# Altium PCB BGA_faser_v2.PcbDoc (part 2 of 5)
Units mil, origin at the board's own origin, x right, y up, seen from the top; angles counter-clockwise.
Board outline 2637.8 x 3937.01 mil, 6 copper layers (Top Layer, GND1, Layer 3, PWR, GND2, Bottom Layer), stack 32.112 mil thick; 367 components, 429 nets, 2041 pads, 1008 vias.
Unrouted connection lines stored in the file: 107.
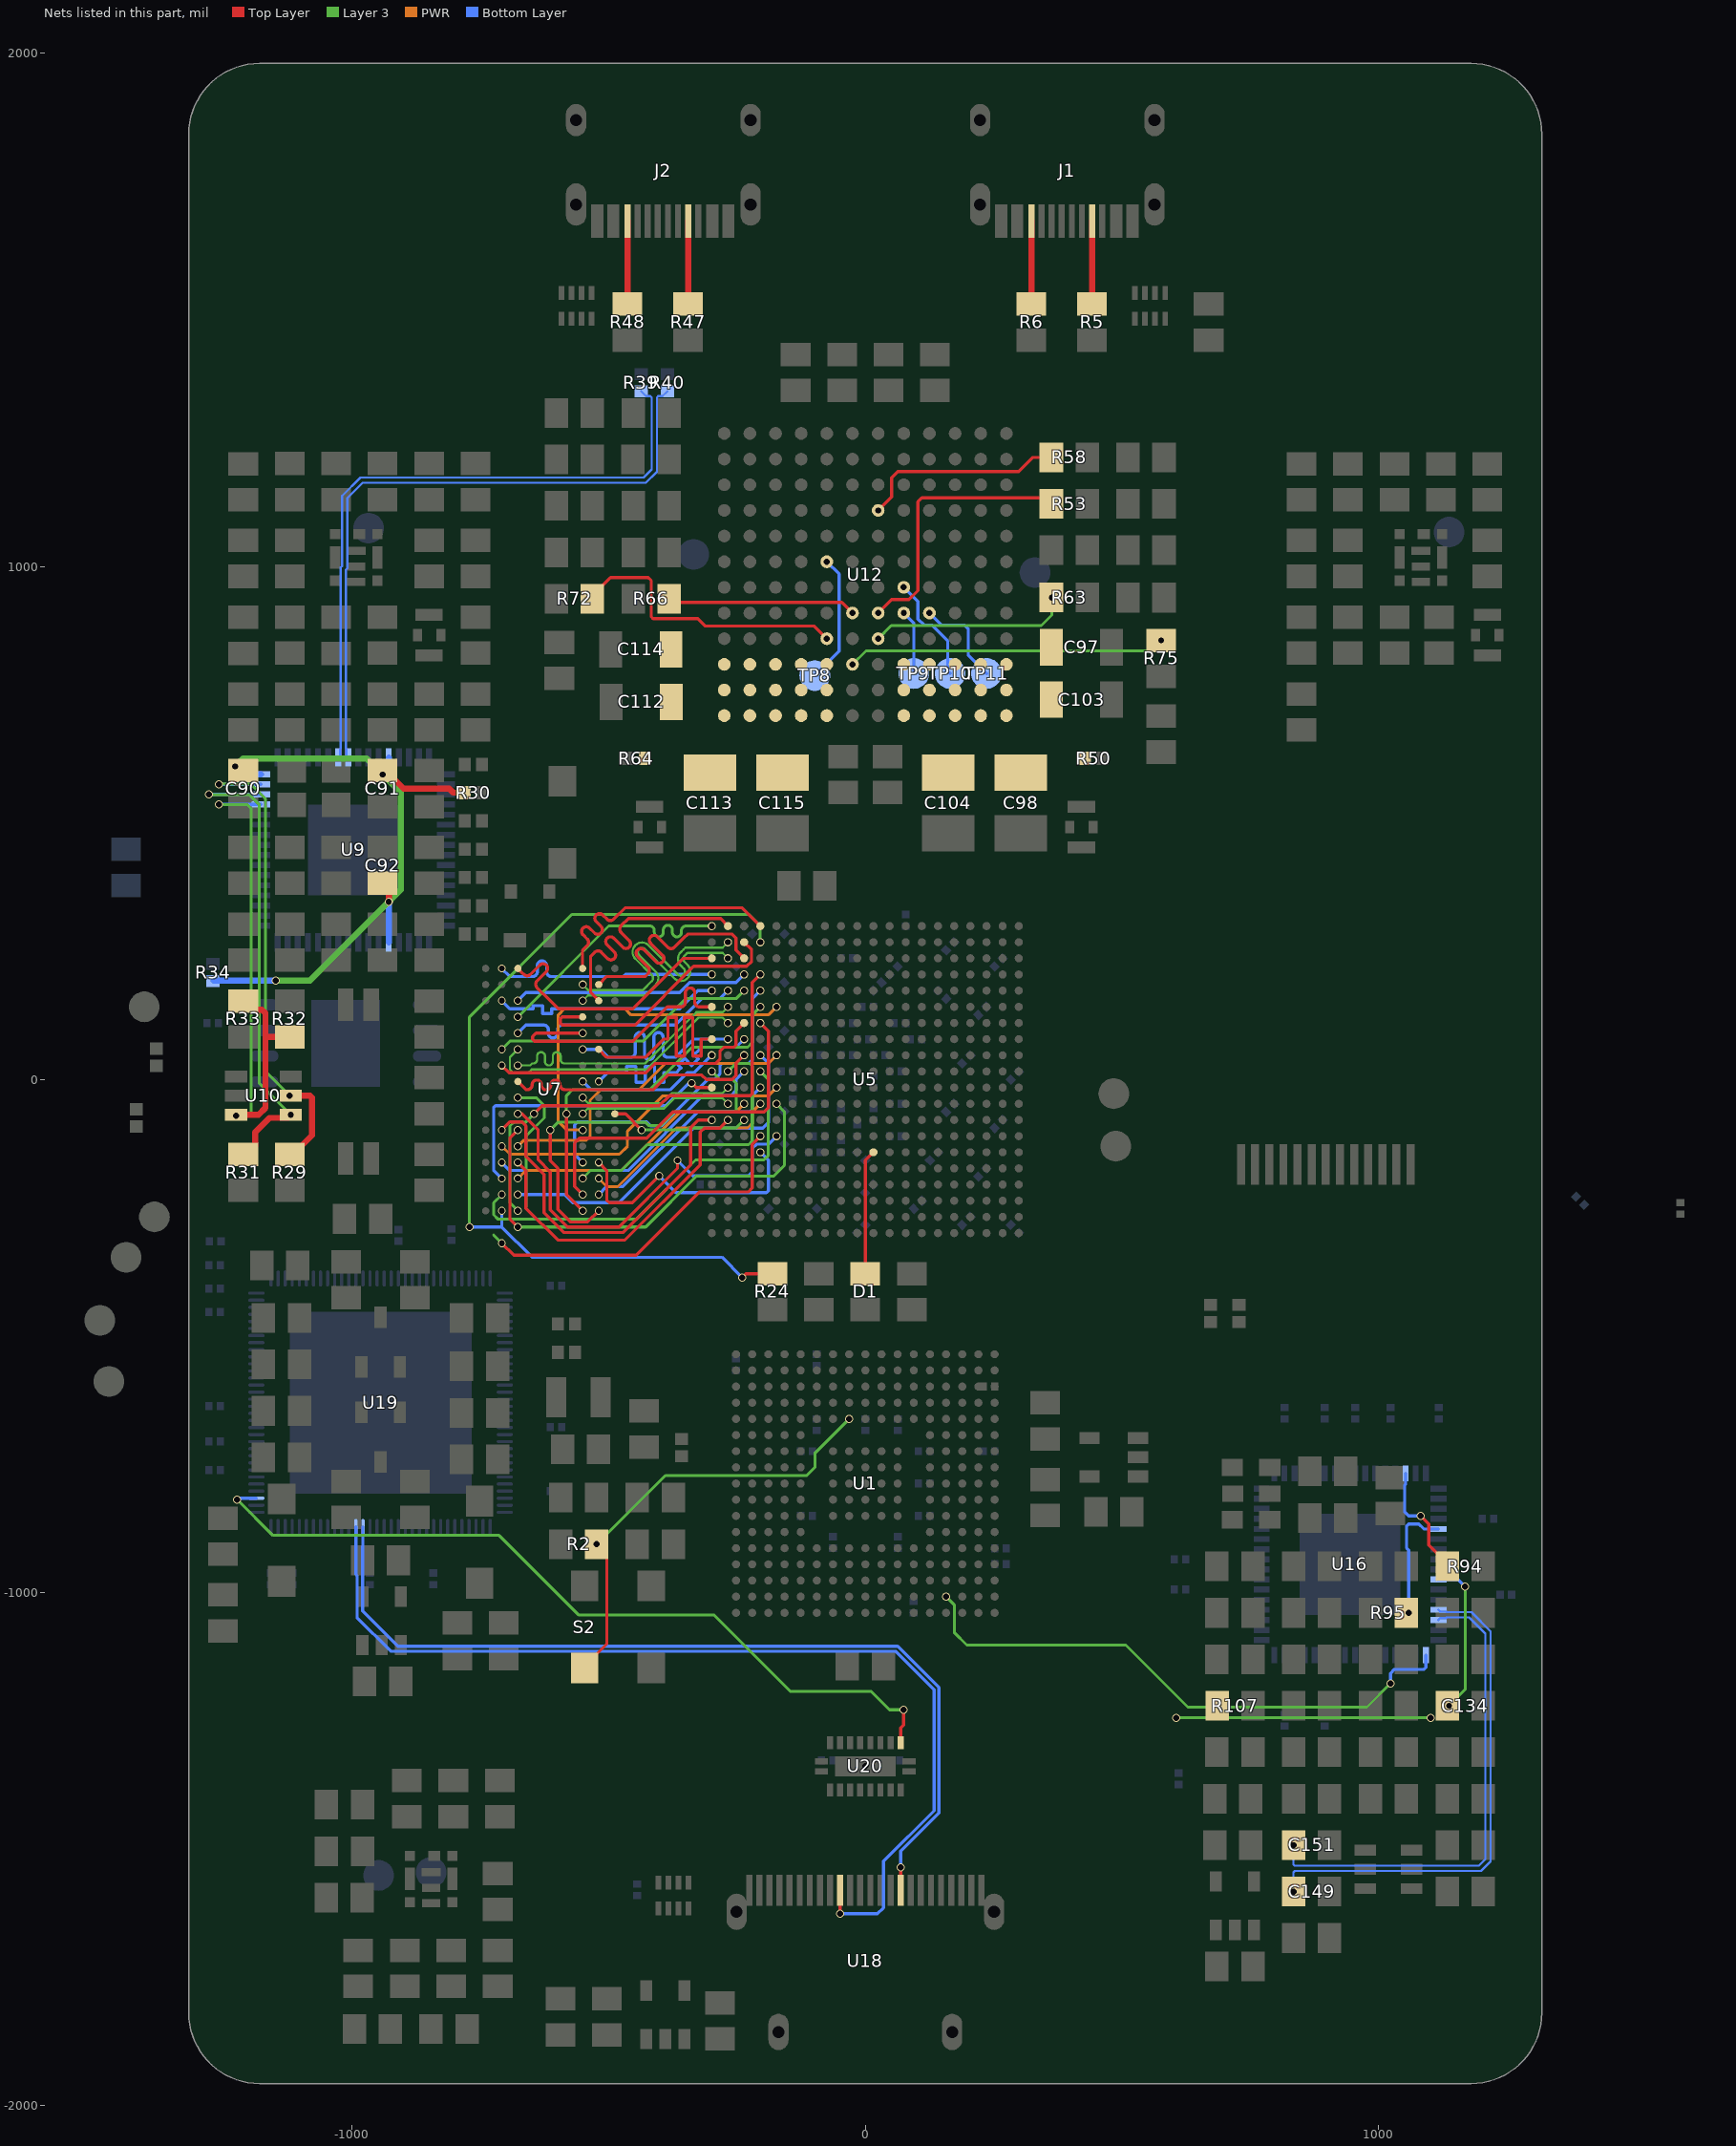
[diagram p6: the nets of this part, all layers, seen from the top]

## Part data
C1 C2 C3 C4 C5 C6 C7 C8 C9 C10 C11 C12 C13 C14 C19 C20 C21 C22 C26 C27 C28 C29 C30 C31 C32 C33 C34 C35 C36 C37 C38 C39 C40 C41 C42 C43 C44 C45 C46 C47 C48 C49 C50 C51 C52 C53 C54 C55 C56 C57 C58 C59 C60 C61 C62 C63 C64 C65 C66 C67 C68 C69 C70 C71 C72 C73 C74 C75 C76 C77 C79 C80 C81 C82 C129 C130 C131 C132 C133 C135 C136 C137 C138 C139 C140 C143 C153 C154 C155 C156 C157 C158 C159 C160 C161 C162 C163 C164 C165 C166 C167 C184 C185 C186 C187 C188 C189: library part "0402 100nF (104) 10% 16V", "贴片电容", Package=0402, SuppliersPartNumber=C1525, ComponentLink1Description=供应商, ComponentLink1URL=http://www.szlcsc.com/product/details_1877.html, Supplier=LC
C15 C16 C141 C142 C144 C178 C179 C190: library part "0805 1uF (105) 10% 50V", "贴片电容", Package=0805, SuppliersPartNumber=C28323, ComponentLink1Description=供应商, ComponentLink1URL=http://www.szlcsc.com/product/details_29074.html, Supplier=LC
C17: library part "0402 220pF (221) 10% 50V", "贴片电容", Package=0402, SuppliersPartNumber=C1530, ComponentLink1Description=供应商, ComponentLink1URL=http://www.szlcsc.com/product/details_1882.html, Supplier=LC
C18: library part "0603 10uF (106) 10% 10V", "贴片电容", Package=0603, SuppliersPartNumber=C19702, ComponentLink1Description=供应商, ComponentLink1URL=http://www.szlcsc.com/product/details_20411.html, Supplier=LC
C23 C24 C25 C180 C181 C182 C183: library part "0402 1.0uF (105) 10% 25V", "贴片电容", Package=0402, SuppliersPartNumber=C52923, ComponentLink1Description=供应商, ComponentLink1URL=http://www.szlcsc.com/product/details_53938.html, Supplier=LC
C83 C84 C85 C86 C87 C88 C89 C90 C91 C92 C96 C111 C149 C150 C151 C152: library part "0805 100nF(104) 10% 50V", "贴片电容", Package=0805, SuppliersPartNumber=C49678, ComponentLink1Description=供应商, ComponentLink1URL=http://www.szlcsc.com/product/details_50686.html, Supplier=LC
C93 C116: library part "0805 4.7uF (475) 10% 25V", "贴片电容", Package=0805, SuppliersPartNumber=C1779, ComponentLink1Description=供应商, ComponentLink1URL=http://www.szlcsc.com/product/details_2131.html, Supplier=LC
C94 C95: library part "0805 12pF (120) 5% 50V", "贴片电容", Package=0805, SuppliersPartNumber=C1792, ComponentLink1Description=供应商, ComponentLink1URL=http://www.szlcsc.com/product/details_2144.html, Supplier=LC
C97 C103 C112 C114: library part "1206 100nF (104) 10% 50V", "贴片电容", Package=1206, SuppliersPartNumber=C24497, ComponentLink1Description=供应商, ComponentLink1URL=http://www.szlcsc.com/product/details_25237.html, Supplier=LC
C98 C104 C113 C115: library part "3528 100uF (107) 10% 6.3V", "钽电容", Package=3528, SuppliersPartNumber=C16133, ComponentLink1Description=供应商, ComponentLink1URL=http://www.szlcsc.com/product/details_16815.html, Supplier=LC
C99 C100 C101 C102 C107 C108 C119 C120 C125 C126: library part "0805 22uF (226) 20% 25V", "贴片电容", Package=0805, SuppliersPartNumber=C45783, ComponentLink1Description=供应商, ComponentLink1URL=http://www.szlcsc.com/product/details_46786.html, Supplier=LC
C105 C106 C117 C118 C123 C124 C176 C177: library part "0805 10uF (106) 10% 25V", "贴片电容", Package=0805, SuppliersPartNumber=C15850, ComponentLink1Description=供应商, ComponentLink1URL=http://www.szlcsc.com/product/details_16532.html, Supplier=LC
C109 C121 C127: library part "0805 100pF (101) 5% 50V", "贴片电容", Package=0805, SuppliersPartNumber=C1790, ComponentLink1Description=供应商, ComponentLink1URL=http://www.szlcsc.com/product/details_2142.html, Supplier=LC
C110 C122 C128: library part "0805 3.3nF (332) 10% 50V", "贴片电容", Package=0805, SuppliersPartNumber=C53175, ComponentLink1Description=供应商, ComponentLink1URL=http://www.szlcsc.com/product/details_54191.html, Supplier=LC
C134: library part "0402 220nF (224) 10% 16V", "贴片电容", Package=0402, SuppliersPartNumber=C16772, ComponentLink1Description=供应商, ComponentLink1URL=http://www.szlcsc.com/product/details_17456.html, Supplier=LC
C145 C147 C148: library part "0805 47nF (473) 10% 50V", "贴片电容", Package=0805, SuppliersPartNumber=C53134, ComponentLink1Description=供应商, ComponentLink1URL=http://www.szlcsc.com/product/details_54150.html, Supplier=LC
C146: library part "0603 68nF (683) 10% 50V", "贴片电容", Package=0603, SuppliersPartNumber=C31658, ComponentLink1Description=供应商, ComponentLink1URL=http://www.szlcsc.com/product/details_32617.html, Supplier=LC
C168 C169 C170 C171 C172 C173 C174 C175: library part CAP, "Capacitor"
D1: library part "0805 红灯", "发光二极管", Package=0805, SuppliersPartNumber=C2295, ComponentLink1Description=供应商, ComponentLink1URL=http://www.szlcsc.com/product/details_2668.html, Supplier=LC
D2: library part "0805 翠绿", "发光二极管", Package=0805, SuppliersPartNumber=C2297, ComponentLink1Description=供应商, ComponentLink1URL=http://www.szlcsc.com/product/details_2670.html, Supplier=LC
FB1 FB2 FB3 FB4: library part "0805 100Ω 25% 100MHz", "贴片磁珠", Package=0805, SuppliersPartNumber=C1015, ComponentLink1Description=供应商, ComponentLink1URL=http://www.szlcsc.com/product/details_1367.html, Supplier=LC
J1 J2: library part "USB type C 16pin", "16针脚C口"
L2 L3 L4 L5: "穿心电容", CapacitanceTolerance=±20%, DC Rated Voltage=16V, DC Resistance=20mΩ, JLCPCB Part Class="Extended Part", LCSC Part Name="1.0uF(105) ±20%16V", Manufacturer=muRata(村田, Nominal Capacitance=1uF, Operating Temperature=-40¡æ~+85¡, Rated Current=4A, Add into BOM=yes, Convert to PCB=yes, Datasheet=https://atta.szlcsc.com/upload/public/pdf/source/20170105/1483610797228.pdf, Device=NFM21PC105B1C3D, Manufacturer Part=NFM21PC105B1C3D, Supplier=LCSC, Supplier Footprint=SMD-3P,1.2x2mm, Supplier Part=C92518, Symbol=NFM21PC105B1C3D
R1 R2 R17 R18 R109 R110: library part "0402 10KΩ (1002) 1%", "贴片电阻", Package=0402, SuppliersPartNumber=C25744, ComponentLink1Description=供应商, ComponentLink1URL=http://www.szlcsc.com/product/details_26487.html, Supplier=LC
R3 R4 R14: library part "0402 33Ω (33R0) 1%", "贴片电阻", Package=0402, SuppliersPartNumber=C25105, ComponentLink1Description=供应商, ComponentLink1URL=http://www.szlcsc.com/product/details_25848.html, Supplier=LC
R5 R6 R47 R48 R94: library part "0402 5.1KΩ (5101) 1%", "贴片电阻", Package=0402, SuppliersPartNumber=C25905, ComponentLink1Description=供应商, ComponentLink1URL=http://www.szlcsc.com/product/details_26648.html, Supplier=LC
R7 R8 R12 R13 R21 R22 R29 R31 R32 R46 R49 R51 R52 R54 R55 R67 R74 R76 R77 R83 R84 R111 R112 R113: library part "0805 10KΩ (1002) 1%", "贴片电阻", Package=0805, SuppliersPartNumber=C17414, ComponentLink1Description=供应商, ComponentLink1URL=http://www.szlcsc.com/product/details_18102.html, Supplier=LC
R9 R10 R11 R27 R28 R30 R34 R88 R89: library part "0402 0Ω (0R0) 1%", "贴片电阻", Package=0402, SuppliersPartNumber=C17168, ComponentLink1Description=供应商, ComponentLink1URL=http://www.szlcsc.com/product/details_17853.html, Supplier=LC
R15 R16 R24: library part "0402 4.7KΩ (4701) 1%", "贴片电阻", Package=0402, SuppliersPartNumber=C25900, ComponentLink1Description=供应商, ComponentLink1URL=http://www.szlcsc.com/product/details_26643.html, Supplier=LC
R19 R20: library part "0402 20KΩ (2002) 1%", "贴片电阻", Package=0402, SuppliersPartNumber=C25765, ComponentLink1Description=供应商, ComponentLink1URL=http://www.szlcsc.com/product/details_26508.html, Supplier=LC
R23 R25: library part "0402 120Ω (1200) 1%", "贴片电阻", Package=0402, SuppliersPartNumber=C25079, ComponentLink1Description=供应商, ComponentLink1URL=http://www.szlcsc.com/product/details_25822.html, Supplier=LC
R26 R79: library part "0805 1.2KΩ (1201) 1%", "贴片电阻", Package=0805, SuppliersPartNumber=C17379, ComponentLink1Description=供应商, ComponentLink1URL=http://www.szlcsc.com/product/details_18067.html, Supplier=LC
R33 R56 R85: library part "0805 2.2KΩ (2201) 1%", "贴片电阻", Package=0805, SuppliersPartNumber=C17520, ComponentLink1Description=供应商, ComponentLink1URL=http://www.szlcsc.com/product/details_18208.html, Supplier=LC
R35 R36 R37 R38 R39 R40 R44 R45: library part "0805 33Ω (33R0) 1%", "贴片电阻", Package=0805, SuppliersPartNumber=C17634, ComponentLink1Description=供应商, ComponentLink1URL=http://www.szlcsc.com/product/details_18322.html, Supplier=LC
R41: library part "0805 12KΩ (1202) 1%", "贴片电阻", Package=0805, SuppliersPartNumber=C17444, ComponentLink1Description=供应商, ComponentLink1URL=http://www.szlcsc.com/product/details_18132.html, Supplier=LC
R42 R43 R57 R59 R86: library part "0805 1KΩ (1001) 1%", "贴片电阻", Package=0805, SuppliersPartNumber=C17513, ComponentLink1Description=供应商, ComponentLink1URL=http://www.szlcsc.com/product/details_18201.html, Supplier=LC
R50 R64 R65 R69 R70 R73 R82 R87 R95 R96 R97 R98 R99 R100 R102 R104 R106 R107 R108: library part "0805 0Ω (0R0) 1%", "贴片电阻", Package=0805, SuppliersPartNumber=C17477, ComponentLink1Description=供应商, ComponentLink1URL=http://www.szlcsc.com/product/details_18165.html, Supplier=LC
R53 R62 R66 R72: library part "0805 33KΩ (3302) 1%", "贴片电阻", Package=0805, SuppliersPartNumber=C17633, ComponentLink1Description=供应商, ComponentLink1URL=http://www.szlcsc.com/product/details_18321.html, Supplier=LC
R58 R60: library part "0805 3KΩ (3001) 1%", "贴片电阻", Package=0805, SuppliersPartNumber=C17661, ComponentLink1Description=供应商, ComponentLink1URL=http://www.szlcsc.com/product/details_18349.html, Supplier=LC
R61: library part "0805 51KΩ (5102) 1%", "贴片电阻", Package=0805, SuppliersPartNumber=C17737, ComponentLink1Description=供应商, ComponentLink1URL=http://www.szlcsc.com/product/details_18425.html, Supplier=LC
R63: library part "0805 3.9KΩ (3901) 1%", "贴片电阻", Package=0805, SuppliersPartNumber=C17614, ComponentLink1Description=供应商, ComponentLink1URL=http://www.szlcsc.com/product/details_18302.html, Supplier=LC
R68: library part "0805 100KΩ (1003) 1%", "贴片电阻", Package=0805, SuppliersPartNumber=C17407, ComponentLink1Description=供应商, ComponentLink1URL=http://www.szlcsc.com/product/details_18095.html, Supplier=LC
R71: library part "0805 200Ω (2000) 1%", "贴片电阻", Package=0805, SuppliersPartNumber=C17540, ComponentLink1Description=供应商, ComponentLink1URL=http://www.szlcsc.com/product/details_18228.html, Supplier=LC
R75 R93: library part "0402 120KΩ (1203) 1%", "贴片电阻", Package=0402, SuppliersPartNumber=C25750, ComponentLink1Description=供应商, ComponentLink1URL=http://www.szlcsc.com/product/details_26493.html, Supplier=LC
R78: library part "0402 1KΩ (1001) 1%", "贴片电阻", Package=0402, SuppliersPartNumber=C11702, ComponentLink1Description=供应商, ComponentLink1URL=http://www.szlcsc.com/product/details_12256.html, Supplier=LC
R80: library part "0805 220Ω (2200) 1%", "贴片电阻", Package=0805, SuppliersPartNumber=C17557, ComponentLink1Description=供应商, ComponentLink1URL=http://www.szlcsc.com/product/details_18245.html, Supplier=LC
R81: library part "0805 5.1Ω (5R10) 1%", "贴片电阻", Package=0805, SuppliersPartNumber=C17724, ComponentLink1Description=供应商, ComponentLink1URL=http://www.szlcsc.com/product/details_18412.html, Supplier=LC
R90: library part "0402 100Ω (1000) 1%", "贴片电阻", Package=0402, SuppliersPartNumber=C25076, ComponentLink1Description=供应商, ComponentLink1URL=http://www.szlcsc.com/product/details_25819.html, Supplier=LC
R91 R92: library part "0402 2KΩ (2001) 1%", "贴片电阻", Package=0402, SuppliersPartNumber=C4109, ComponentLink1Description=供应商, ComponentLink1URL=http://www.szlcsc.com/product/details_4516.html, Supplier=LC
R101 R103 R105: library part "0805 49.9Ω (49R9) 1%", "贴片电阻", Package=0805, SuppliersPartNumber=C17720, ComponentLink1Description=供应商, ComponentLink1URL=http://www.szlcsc.com/product/details_18408.html, Supplier=LC
S1 S2 S4 S5 S6: "Switch", LatestRevisionDate=17-Jul-2002, LatestRevisionNote="Re-released for DXP Platform.", PackageDescription="Switch; 2 Leads", PackageReference=SPST-2, Published=24-Mar-1999, Publisher="Altium Limited"
S3: "DIP Switch, 2 Position, SPST", LatestRevisionDate=17-Jul-2002, LatestRevisionNote="Re-released for DXP Platform.", PackageReference=DIP-4, Published=24-Mar-1999, Publisher="Altium Limited"
TP1 TP2 TP3 TP4 TP5 TP6 TP7 TP8 TP9 TP10 TP11 TP12 TP13 TP14 TP15 TP16 TP17: "测试点"
U1: "双核MCU", JLCPCB Part Class="Extended Part", LCSC Part Name="带DSP和DP-FPU的高性能ARM Cortex-M7 + Cortex-M4 MCU，具有2 MB Flash、1 MB RAM、480 MHz CPU、ART加速器、Ò", Manufacturer=ST(意法半µ, Add into BOM=yes, Convert to PCB=yes, Datasheet=https://atta.szlcsc.com/upload/public/pdf/source/20230906/B22899485390F262A37AA3B845B2D1AE.pdf, Device=STM32H747XIH6, Manufacturer Part=STM32H747XIH6, Supplier=LCSC, Supplier Footprint=TFBGA-265(14x14), Supplier Part=C5271089, Symbol=STM32H747XIH6
U3 U11 U21: "理想二极管", JLCPCB Part Class="Extended Part", Manufacturer=TI(德州仪, Add into BOM=yes, Convert to PCB=yes, Datasheet=https://www.ti.com/cn/lit/gpn/lm66200, Device=LM66200DRLR, LCSC Part Name=LM66200DRLR, Manufacturer Part=LM66200DRLR, Supplier=LCSC, Supplier Footprint=SOT-583, Supplier Part=C3235556, Symbol=LM66200DRLR
U4 U17 U23: library part RT9193-33, "3.3v低压差稳压芯片"
U5: JLCPCB Part Class=扩展, LCSC Part Name=-, Manufacturer=XILINX(赛灵Ë, Add into BOM=yes, Convert to PCB=yes, Datasheet=https://atta.szlcsc.com/upload/public/pdf/source/20191108/C446028_7ED8319F1F88212BA1E5D387DA4ECDB9.pdf, Device=XC7Z020-2CLG400I, Manufacturer Part=XC7Z020-2CLG400I, Supplier=LCSC, Supplier Footprint=CSPBGA-400, Supplier Part=C569043, Symbol=XC7Z020-2CLG400I
U6: "复位电平管理芯片", JLCPCB Part Class="Extended Part", Manufacturer=VP(中芯集, Number of Voltages Monitored=1, Operating Temperature=-40℃~+125℃@(Tj, Add into BOM=yes, ChipType=电源监, Convert to PCB=yes, Datasheet=https://atta.szlcsc.com/upload/public/pdf/source/20190322/C381486_AD49D5EAA1071F589CB38927003B9E48.pdf, Device=VP811REUS/T, LCSC Part Name=VP811REUS/T, Manual Reset=有, Manufacturer Part=VP811REUS/T, Output Type=¿ªÂ, Reset Active Level=低电平, Supplier=LCSC, Supplier Footprint=SOT-143, Supplier Part=C381485, Symbol=VP811REUS/T, Watchdog=无
U7: library part "4Gbit DDR3L BGA-96", JLCPCB Part Class=扩展, Manufacturer=Nanya(南亚科, Add into BOM=yes, Convert to PCB=yes, Datasheet=https://atta.szlcsc.com/upload/public/pdf/source/20190912/C428584_C33860C5A34E1626944F37A05F9FF64A.pdf, Device="4Gbit DDR3L BGA-96", LCSC Part Name=NT5CC256M16ER-EK, Manufacturer Part=NT5CC256M16ER-EK, Supplier=LCSC, Supplier Footprint=TFBGA-96, Supplier Part=C428584, Symbol="4Gbt  DDR3L BGA-96"
U8: library part W25Q64, "NOR FLASH"
U9: JLCPCB Part Class="Extended Part", LCSC Part Name="FT2232H 双高速 USB 转多用途 UART/F", Manufacturer=FTDI(飞特帝, Operating Temperature=-40¡æ~+85¡, Supply Voltage=3V~3.6V, Add into BOM=yes, Applications Function=USB转UART；USB转FI, Convert to PCB=yes, Datasheet=https://atta.szlcsc.com/upload/public/pdf/source/20180530/C193662_F14B45A4B5271BE746E436B0F2E041EE.pdf, Device=FT2232HQ-REEL, Manufacturer Part=FT2232HQ-REEL, Protocol=-, Supplier=LCSC, Supplier Footprint=QFN-64-EP(9x9), Supplier Part=C193662, Symbol=FT2232HQ-REEL
U10: JLCPCB Part Class="Extended Part", Manufacturer=MICROCHIP(美国微, Operating Temperature=-40¡æ~+85¡, Supply Voltage=2.5V~5.5V, Add into BOM=yes, Convert to PCB=yes, Data Retention - TDR (Year)=200年, Datasheet=https://atta.szlcsc.com/upload/public/pdf/source/20140724/1457707164359.pdf, Device=93LC56BT-I/OT, Interface Type=SPI, LCSC Part Name=93LC56BT-I/OT, Manufacturer Part=93LC56BT-I/OT, Memory Size=2Kbit, Supplier=LCSC, Supplier Footprint=SOT-23-6, Supplier Part=C190271, Symbol=93LC56BT-I/OT, Write Cycle Endurance=1000000次, Write Cycle Time (Tw)=6ms
U12: "ADI电源", Input Voltage(DC)=4.5V~16V, Insulated Voltage=-, JLCPCB Part Class="Extended Part", LCSC Part Name="双通道 13A 或单通道 26A DC/DC uModu", Manufacturer=ADI(亚德Å, Output Current (Max)=13A, Output Voltage=0.6V~5.3V, Add into BOM=yes, Conversion Efficiency=-, Conversion Type=DC-DC, Convert to PCB=yes, Datasheet=https://atta.szlcsc.com/upload/public/pdf/source/20191223/C471410_9980ECA8DA2BC0F921CA49592D580556.pdf, Device=LTM4620AIY#PBF, Feature=¹ýÑ¹±£»¤£»Ç·Ñ¹±, Manufacturer Part=LTM4620AIY#PBF, Maximum Capacitive Load=-, Output Channel=2, Output Power=-, Supplier=LCSC, Supplier Footprint=BGA-144(15x15), Supplier Part=C108015, Symbol=LTM4620AIY#PBF
U13 U14 U15: "华为电源模块", Input Voltage(DC)=6.3V~14V, JLCPCB Part Class="Extended Part", Manufacturer=HUAWEI(华为, Maximum Capacitive Load=500uF, Output Current (Max)=3A, Output Power=15W, Output Voltage=0.8V~5.2V, Add into BOM=yes, Conversion Type=DC-DC, Convert to PCB=yes, Datasheet=https://atta.szlcsc.com/upload/public/pdf/source/20230428/342BA0ED97D448F86BA8DB326342F56D.pdf, Device=NAE12S03-B, LCSC Part Name=NAE12S03-B, Manufacturer Part=NAE12S03-B, Output Channel=1, Supplier=LCSC, Supplier Footprint=-, Supplier Part=C5632472, Symbol=NAE12S03-B
U16: "时钟分配芯片", Input Low Voltage=800mV, Intput High Voltage=2V, JLCPCB Part Class="Extended Part", LCSC Part Name="14-具有集成1.6 GHz VCO的输³", Manufacturer=ADI(亚德Å, Operating Temperature=-40¡æ~+85¡, Output Frequency(Max)=2.4GHz, Voltage - Supply=3.135V~3.465V, Add into BOM=yes, Convert to PCB=yes, Datasheet=https://atta.szlcsc.com/upload/public/pdf/source/20220408/79BD7CFE6E0B71D46ED75CF470DA5615.pdf, Device=AD9516-4BCPZ-REEL7, Manufacturer Part=AD9516-4BCPZ-REEL7, Number of Outputs=10, Supplier=LCSC, Supplier Footprint=LFCSP-64(9x9), Supplier Part=C653502, Symbol=AD9516-4BCPZ-REEL7
U18: library part "USB type C 沉板公头"
U19: library part CH32H417QET6, "RISC-V FPU HD-MCU, 384MHz, USB3.0 & PD, 100M Ethernet, DVP, SDMMC, QSPI, OPA, ADC, DAC"
U20: "DP/PCIe/SATA/USB3.0/USB3.2 Differential Switch, QPDT"
U22: JLCPCB Part Class="Extended Part", LCSC Part Name="MT9700 停²", Manufacturer=西安航Ì, Add into BOM=yes, Convert to PCB=yes, Datasheet=https://atta.szlcsc.com/upload/public/pdf/source/20170418/1492481333031.pdf, Device=MT9700, Manufacturer Part=MT9700, Supplier=LCSC, Supplier Footprint=SOT-23-5, Supplier Part=C89855, Symbol=MT9700
VCO1: library part MAX2608, "300MHz~500MHz VCO"
VR1 VR2: library part XC6206P332MR-G_C5446, "通用LDO", JLCPCB Part Class="Basic Part", LCSC Part Name="输入6V 输出3.3V 20", Manufacturer=TOREX(特瑞Ê, Operating Temperature=-40℃~+85℃@(Ta, Output Current=200mA, Output Voltage=3.3V, Power Supply Rejection Ratio (PSRR)=-, standby current=1uA, Voltage - Supply=6V, Add into BOM=yes, Convert to PCB=yes, Datasheet=https://item.szlcsc.com/datasheet/XC6206P332MR-G/5896.html, Device=XC6206P332MR-G_C5446, Features=¹ýÁ÷±, Manufacturer Part=XC6206P332MR-G, Number of Outputs=1, Output Configuration=Õý¼, Output Type=¹Ì¶, Supplier=LCSC, Supplier Footprint=SOT-23-3L, Supplier Part=C5446, Symbol=XC6206P332MR, Voltage Dropout=-
X1: library part 四脚无源晶体, "4脚贴片无源晶体", Equivalent Series Resistance(ESR)=250Ω, Frequency Stability=±15ppm, JLCPCB Part Class="Extended Part", LCSC Part Name="8MHz ±10ppm 10pF", Load Capacitance=10pF, Manufacturer=YJX(雅晶ö, Manufacturer Part=TAXM8M4RDBCCT2T, Normal temperature Frequency Tolerance=±10ppm, Operating Temperature=-40¡æ~+85¡, Add into BOM=yes, Convert to PCB=yes, Datasheet=https://atta.szlcsc.com/upload/public/pdf/source/20190626/C400090_CF95B89E745AFE4EF2E392EF8AC009D6.pdf, Device=TAXM8M4RDBCCT2T, Supplier=LCSC, Supplier Footprint=SMD3225-4P, Supplier Part=C400090, Symbol=TAXM8M4RDBCCT2T, Type=ÌùÆ¬¾
X2: library part SX3DF100.000B20F30PNN, "3225有源差分晶体", Current - Supply=50mA, Frequency Stability=±20ppm, JLCPCB Part Class="Extended Part", LCSC Part Name="100MHz 3.3V ±20ppm LVPECL", Manufacturer=SCTF(星通时, Operating Temperature=-40¡æ~+85¡, Voltage - Supply=3.3V, Add into BOM=yes, Convert to PCB=yes, Datasheet=https://item.szlcsc.com/datasheet/SX3DF100.000B20F30PNN/6761487.html, Device=SX3DF100.000B20F30PNN, Manufacturer Part=SX3DF100.000B20F30PNN, Normal temperature Frequency Tolerance=±20ppm, Output Type=LVPECL, Supplier=LCSC, Supplier Footprint=SMD3225-6P, Supplier Part=C5830670, Symbol=SX3DF100.000B20F30PNN
L1 L6: Code_IEC=1005, Code_JEITA=0402, LatestRevisionDate=29-May-2009, LatestRevisionNote="IPC-7351 Footprint Added.", PackageDescription="Chip Inductor", PackageReference=0402-A, Published=8-Jun-2000, Publisher="Altium Limited"
U2: Add into BOM=yes, Convert to PCB=yes, Device=ZJY_1.14, Symbol=ZJY_1.14''

## Via types
v1: diameter 15.75, hole 11.81, Top Layer to Bottom Layer, 1000 vias
v2: diameter 236.22, hole 118.11, Top Layer to Bottom Layer, 4 vias
v3: diameter 20, hole 14, Top Layer to Bottom Layer, tented both sides, 2 vias
v4: diameter 196.85, hole 157.48, Top Layer to Bottom Layer, 2 vias

## Nets (pads, with @x,y where several pads share a name; then routed paths per layer and width w, separated by ;. In a path a pad name is that pad's centre, name@x,y a point inside that pad or via, vN(x,y) a via of type N, cw(c..) or ccw(c..) an arc to the next point about the centre after c; other vN are vias at no path point)
1V0: C97.2 C98.1 C103.2 C104.1 R50.1 U12.A8 U12.A9 U12.A10 U12.A11 U12.A12 U12.B8 U12.B9 U12.B10 U12.B11 U12.B12 U12.C8 U12.C9 U12.C10 U12.C11 U12.C12
1V8: C112.2 C113.1 C114.2 C115.1 R64.1 U12.A1 U12.A2 U12.A3 U12.A4 U12.A5 U12.B1 U12.B2 U12.B3 U12.B4 U12.B5 U12.C1 U12.C2 U12.C3 U12.C4 U12.C5
BOOT0: R2.2 S2.1 U1.E8 | length 877.1
  Top Layer w6.16: S2.1@-547.24,-1147.05 -547.24,-1143.7 -503.94,-1100.39 -503.94,-1086.61 -503.87,-1086.54 -503.87,-925.27 v1(-523.62,-905.51)
  Layer 3 w5.61: v1(-523.62,-905.51) -389.76,-771.65 -114.17,-771.65 -98.43,-755.91 -98.43,-728.34 v1(-31.5,-661.41)
BYPASS: C134.2 R107.1 U16.10 | length 799.3
  Layer 3 w5.61: v1(606.3,-1244.09) v1(1102.36,-1244.09) ; v1(1137.8,-1220.47) 1169.29,-1188.98 v1(1169.29,-988.19)
  Bottom Layer w6.16: U16.10@1117.13,-974.41 1155.51,-974.41 v1(1169.29,-988.19)
C1: J1.4 R5.1 | length 161.8
  Top Layer w11.81: R5.1@441.93,1511.42 J1.4@441.93,1673.23
C2: J1.10 R6.1 | length 161.8
  Top Layer w11.81: R6.1@323.82,1511.42 J1.10@323.82,1673.23
CC1: U18.B5 U19.115 | length 1775.6
  Top Layer w6.16: U18.B5@68.9,-1580.31 v1(68.9,-1535.43)
  Bottom Layer w6.16: U19.115@-979.33,-872.05 -979.33,-909.45 -980.01,-910.12 -980.01,-1035.74 -911.23,-1104.51 63.06,-1104.51 143.52,-1184.98 143.52,-1429.2 68.9,-1503.82 v1(68.9,-1535.43)
CC2: U18.A5 U19.116 | length 1961.5
  Top Layer w6.16: v1(-49.21,-1625.98) U18.A5@-49.21,-1580.31
  Bottom Layer w6.16: U19.116@-993.11,-872.05 -993.11,-964.14 -990.78,-966.47 -990.78,-1048.59 -925.2,-1114.17 59.06,-1114.17 133.86,-1188.98 133.86,-1425.2 35.43,-1523.62 35.43,-1614.17 23.62,-1625.98 v1(-49.21,-1625.98)
CCC1: J2.4 R47.1 | length 161.8
  Top Layer w11.81: R47.1@-345.47,1511.42 J2.4@-345.47,1673.23
CCC2: J2.10 R48.1 | length 161.8
  Top Layer w11.81: R48.1@-463.58,1511.42 J2.10@-463.58,1673.23
CLKOUT: TP8.1 U12.G5 | length 251.3
  Bottom Layer w6.16: TP8.1@-98.43,787.4 -51.18,834.65 -51.18,985.43 v1(-75,1009.25)
COMP1: R66.2 U12.E6 | length 370.4
  Top Layer w6.16: R66.2@-382.28,937.01 -375.39,930.12 -45.87,930.12 v1(-25,909.25) U12.E6@-25,910.83
COMP2: R53.2 U12.E7 | length 537
  Top Layer w6.16: v1(25,909.25) 51.18,935.43 85.04,935.43 102.36,952.76 102.36,1125.98 110.24,1133.86 350.79,1133.86 R53.2@362.6,1122.05
CP: R95.1 U16.5 | length 238.6
  Bottom Layer w6.16: v1(1059.06,-1039.37) 1059.06,-917.32 1055.12,-913.39 1055.12,-870.08 1059.06,-866.14 1078.74,-866.14 1088.58,-875.98 U16.5@1117.13,-875.98
CPRSET: R94.1 U16.62 | length 230.2
  Top Layer w6.16: v1(1082.68,-850.39) 1098.59,-866.3 1098.59,-907.05 1134.25,-942.72 R94.1@1134.25,-948.82
  Bottom Layer w6.16: U16.62@1053.14,-767.72 1053.14,-789.38 1051.18,-791.34 1051.18,-842.52 1059.06,-850.39 v1(1082.68,-850.39)
CSn: U1.T14 U16.17 | length 1123.3
  Layer 3 w5.61: v1(157.48,-1007.87) 173.23,-1023.62 173.23,-1077.67 197.92,-1102.36 507.87,-1102.36 628.69,-1223.17 977.61,-1223.17 v1(1023.62,-1177.17)
  Bottom Layer w6.16: v1(1023.62,-1177.17) 1023.62,-1157.48 1031.5,-1149.61 1088.9,-1149.61 1092.51,-1146 U16.17@1092.51,-1122.05
D_n: R39.2 U9.7 | length 1303.7
  Bottom Layer w4.29: U9.7@-1027.57,627.56 -1023.81,631.32 -1023.81,644.71 -1022.87,645.65 -1022.87,997.83 -1019.95,1000.76 -1019.95,1137.53 -984.25,1173.23 -432.31,1173.23 -416.56,1188.98 -416.56,1282.96 -416.56,1329.36 -419.08,1331.87 -427.34,1331.87 R39.2@-437.01,1341.54
D_p: R40.2 U9.8 | length 1303.7
  Bottom Layer w4.29: U9.8@-1007.88,627.56 -1011.64,631.32 -1011.64,644.71 -1012.58,645.65 -1012.58,993.57 -1009.66,996.49 -1009.66,1133.27 -979.99,1162.94 -428.05,1162.94 -406.27,1184.71 -406.27,1287.22 -406.27,1329.36 -403.76,1331.87 -395.49,1331.87 R40.2@-385.83,1341.54
DDR_A0: U5.N2 U7.N3 | length 650
  Top Layer w6.16: v1(-677.17,-161.42) -661.42,-177.16 -661.42,-250.98 -599.41,-312.99 -468.5,-312.99 -321.85,-166.34 -321.85,-102.36 -313.98,-94.49 -283.47,-94.49 v1(-267.72,-78.74)
DDR_A1: U5.K2 U7.P7 | length 563.3
  Layer 3 w5.61: v1(-551.18,-192.91) -535.44,-177.17 -475.39,-177.17 -425.2,-126.97 -227.36,-126.97 -220.47,-120.08 -220.47,26.57 -225.39,31.5 -251.97,31.5 v1(-267.72,15.75)
DDR_A2: U5.M3 U7.P3 | length 505.2
  Layer 3 w5.61: v1@-236.22,-51.18 v1(-236.22,-47.24)
  PWR w5.61: v1(-677.17,-192.91) -661.42,-177.17 -475.39,-177.17 -361.22,-62.99 -251.97,-62.99 v1(-236.22,-47.24)
DDR_A3: U5.K3 U7.N2 | length 571.6
  Bottom Layer w6.16: v1(-708.66,-161.42) -692.91,-177.17 -462.6,-177.17 -316.93,-31.5 -261.81,-31.5 -251.97,-21.65 -251.97,0 v1(-236.22,15.75)
DDR_A4: U5.M4 U7.P8 | length 401.6
  PWR w5.61: v1(-519.69,-192.91) -503.93,-208.66 -482.28,-208.66 -368.11,-94.49 -229.33,-94.49 -220.47,-85.63 -220.47,-62.99 v1(-204.72,-47.24)
DDR_A5: U5.L1 U7.P2 | length 587.5
  Top Layer w6.16: v1(-338.58,-6.89) -329.73,-15.75 U5.L1@-299.21,-15.75
  Bottom Layer w6.16: v1(-708.66,-192.91) -724.48,-177.09 -724.48,-54.79 -720.87,-51.18 -388.78,-51.18 v1@-344.49,-6.89
DDR_A6: U5.L4 U7.R8 | length 417
  Bottom Layer w6.16: v1(-519.69,-224.4) -503.94,-208.66 -472.44,-208.66 -326.77,-62.99 -225.39,-62.99 -220.47,-58.07 -220.47,-31.5 v1(-204.72,-15.75)
DDR_A7: U5.K4 U7.R2 | length 805.9
  Layer 3 w5.61: v1(-708.66,-224.4) -724.41,-240.15 -724.41,-263.78 -716.54,-271.65 -445.87,-271.65 -330.96,-156.74 -198.08,-156.74 -188.98,-147.64 -188.98,0.01 v1(-204.72,15.75)
DDR_A8: U5.K1 U7.T8 | length 752.7
  Top Layer w6.16: v1(-614.17,-98.43) -614.17,-158.46 -599.41,-173.23 -599.41,-252.95 -574.8,-277.56 -541.33,-277.56 v1(-519.69,-255.9)
  Layer 3 w5.61: v1(-614.17,-98.43) -598.43,-82.68 -429.13,-82.68 -422.5,-89.32 -398.37,-89.32 -372.05,-62.99 -255.25,-62.99 -251.97,-59.71 -251.97,-6.89 -258.86,0 -283.46,0 v1(-299.21,15.75)
DDR_A9: U5.J4 U7.R3 | length 697
  Bottom Layer w6.16: v1(-677.17,-224.4) -586.62,-224.4 -570.86,-240.16 -480.32,-240.16 -334.65,-94.49 -199.8,-94.49 -188.98,-83.66 -188.98,31.5 v1(-204.72,47.25)
DDR_A10: U5.F5 U7.L7 | length 703.4
  PWR w5.61: v1(-551.18,-98.43) -581.69,-98.43 -598.43,-81.69 -598.43,125.98 -586.61,137.8 -468.5,137.8 -456.69,125.98 -188.98,125.98 v1(-173.23,141.73)
DDR_A11: U5.G4 U7.R7 | length 685.3
  Top Layer w6.16: v1(-551.18,-224.4) -566.93,-208.66 -566.93,-124.02 -557.09,-114.17 -426.18,-114.17 -375,-62.99 -196.85,-62.99 -188.98,-55.12 -188.98,94.48 U5.G4@-204.73,110.23
  other v1: -204.72,110.24
DDR_A12: U5.E4 U7.N7 | length 636.1
  Bottom Layer w6.16: v1(-551.18,-161.42) -566.93,-145.67 -566.93,-88.58 -561.02,-82.68 -426.38,-82.68 -418.5,-90.55 -397.64,-90.55 -307.09,0 -294.29,0 -283.46,10.83 -283.46,27.56 -279.53,31.5 -227.36,31.5 -220.47,38.39 -220.47,157.48 v1(-204.72,173.23)
DDR_A13: U5.D4 U7.T3 | length 909.2
  Top Layer w6.16: v1(-645.67,-66.93) -629.92,-51.18 -401.57,-51.18 -381.89,-31.5 -224.41,-31.5 -220.47,-27.56 -220.47,188.98 v1(-204.72,204.73)
  Layer 3 w5.61: v1(-677.17,-255.9) -692.91,-240.15 -692.91,-90.55 -685.04,-82.68 -661.42,-82.68 v1(-645.67,-66.93)
DDR_A14: U5.F4 U7.T7 | length 718.9
  Top Layer w6.16: v1(-582.68,-66.93) -582.68,-224.41 v1(-551.18,-255.9)
  Layer 3 w5.61: v1(-582.68,-66.93) -582.68,-31.5 -570.71,-19.53 -420.12,-19.53 -337.6,62.99 -229.33,62.99 -220.47,71.85 -220.47,125.99 v1(-204.72,141.74)
DDR_BA0: U5.L5 U7.M2 | length 613.1
  PWR w5.61: v1(-708.66,-129.92) -692.91,-145.67 -479.33,-145.67 -463.58,-129.92 -463.58,-100.39 -394.69,-31.5 -188.98,-31.5 v1(-173.23,-15.75)
DDR_BA1: U5.R4 U7.N8 | length 515.4
  Top Layer w6.16: v1(-519.69,-161.42) -503.94,-177.16 -503.94,-235.24 -499.02,-240.16 -453.74,-240.16 v1(-401.57,-187.99)
  Bottom Layer w6.16: v1(-401.57,-187.99) -369.09,-220.47 -192.91,-220.47 -188.98,-216.54 -188.98,-157.48 v1(-204.72,-141.73)
DDR_BA2: U5.J5 U7.M3 | length 618.3
  PWR w5.61: v1(-677.17,-129.92) -665.35,-118.11 -544.29,-118.11 -536.42,-110.24 -536.42,-40.35 -515.75,-19.69 -440.94,-19.69 -389.76,31.5 -188.98,31.5 v1(-173.23,47.24)
DDR_CAS: U5.P5 U7.K3 | length 806.9
  Top Layer w6.16: v1(-677.17,-66.93) -669.29,-66.93 -637.8,-98.43 -637.8,-156.5 -614.17,-180.12 -614.17,-253.94 -580.89,-287.22 -480.36,-287.22 -366.14,-173 v1(-366.14,-157.6)
  Bottom Layer w6.16: v1(-366.14,-157.6) -336.06,-187.68 -227.64,-187.68 -220.47,-180.51 -220.47,-133.98 -212.47,-125.98 -188.98,-125.98 v1(-173.23,-110.24)
DDR_CK_n: U5.M2 U7.K7 | length 300.4
  Layer 3 w4.29: v1(-551.18,-66.93) -540.58,-56.33 -392.17,-56.33 -372.48,-36.64 -278.32,-36.64 v1(-267.72,-47.24)
DDR_CK_p: U5.L2 U7.J7 | length 300.4
  Layer 3 w4.29: v1(-551.18,-35.43) -540.58,-46.04 -396.43,-46.04 -376.74,-26.35 -278.32,-26.35 v1(-267.72,-15.75)
DDR_CKE: U5.N3 U7.K9 | length 273.2
  Top Layer w6.16: U7.K9@-488.19,-66.93 -467.52,-66.93 v1(-436.02,-98.43)
  Layer 3 w5.61: v1(-436.02,-98.43) -347.93,-98.43 -344,-94.49 -251.97,-94.49 v1(-236.22,-78.74)
DDR_CS: U5.N1 U7.L2 | length 717.3
  Top Layer w6.16: v1(-708.66,-98.43) -692.91,-82.68 -669.29,-82.68 -661.42,-90.55 -661.42,-149.61 -625.98,-185.04 -625.98,-259.84 -587.6,-298.23 -472.44,-298.23 -340.55,-166.34 -340.55,-93.5 -325.78,-78.74 v1(-299.21,-78.74)
DDR_DM0: U5.A1 U7.D3 | length 508.2
  Layer 3 w5.61: v1(-677.16,122.04) -499.99,299.21 -440.56,299.21 -420.14,299.21 cw(c-420.14,290.41) -411.34,290.41 -411.34,286.97 ccw(c-402.53,286.97) -393.73,286.97 -393.73,291.85 cw(c-384.92,291.85) -376.12,291.85 -376.12,286.97 ccw(c-367.31,286.97) -358.51,286.97 -358.51,290.41 cw(c-349.7,290.41) -349.7,299.21 -312.64,299.21 v1(-299.21,299.21)
DDR_DM1: U5.F1 U7.E7 | length 544.3
  Top Layer w6.16: v1(-551.18,90.55) -641.73,90.55 -648.77,83.51 -648.77,78.41 -645.16,74.8 -452.76,74.8 -385.82,141.73 -372.27,141.73 -359.72,141.73 ccw(c-359.72,150.81) -350.64,150.81 -350.64,169.45 cw(c-341.56,169.45) -332.48,169.45 -332.48,150.81 ccw(c-323.4,150.81) -323.4,141.73 -302.16,141.73 U5.F1@-299.21,141.73 U5.F1@-300.58,140.37
DDR_DQ0: U5.C3 U7.B8 | length 522.6
  Top Layer w6.16: U7.B8@-519.68,185.03 -503.92,200.79 -429.13,200.79 -425.69,204.23 -423.51,206.41 ccw(c-429.93,212.83) -423.51,219.25 -444,239.74 cw(c-437.58,246.16) -444,252.58 cw(c-437.58,246.16) -431.16,252.58 -407.98,229.41 ccw(c-401.56,235.83) -395.14,229.41 ccw(c-401.56,235.83) -395.14,242.25 -418.32,265.42 cw(c-411.9,271.84) -418.32,278.26 cw(c-411.9,271.84) -405.48,278.26 -384.99,257.77 ccw(c-378.57,264.2) -372.15,257.77 -353.55,276.37 -346.46,283.46 -259.84,283.46 -251.97,275.59 -251.97,251.97 U5.C3@-236.22,236.22
DDR_DQ1: U5.B3 U7.D7 | length 522.3
  Top Layer w6.16: U7.D7@-551.18,122.04 -590.88,122.04 -594.49,118.43 -594.49,109.91 -590.88,106.3 -448.82,106.3 -334.65,220.47 -231.53,220.47 -221.77,230.24 -221.77,253.26 U5.B3@-236.22,267.71
DDR_DQ2: U5.A2 U7.C8 | length 523
  Top Layer w6.16: U7.C8@-519.68,153.54 -535.43,169.29 -535.43,232.56 -535.43,240.16 -527.42,248.17 cw(c-521,241.75) -514.58,248.17 -502.21,235.8 ccw(c-495.79,242.22) -489.37,235.8 ccw(c-495.79,242.22) -489.37,248.64 -503.36,262.63 cw(c-496.94,269.05) -503.36,275.47 cw(c-496.94,269.05) -490.52,275.47 -473.11,258.06 ccw(c-466.68,264.48) -460.26,258.06 ccw(c-466.68,264.48) -460.26,270.9 -476.06,286.69 cw(c-469.64,293.11) -476.06,299.53 -461.92,313.67 -452.71,313.67 -282.17,313.67 U5.A2@-267.72,299.21
DDR_DQ3: U5.A4 U7.A7 | length 522.5
  Top Layer w6.16: U7.A7@-551.18,216.53 -551.18,251.97 -544.22,258.93 -542.04,261.1 ccw(c-548.47,267.53) -542.04,273.95 -550.35,282.26 cw(c-543.93,288.68) -550.35,295.1 cw(c-543.93,288.68) -537.51,295.1 -528.07,285.66 ccw(c-521.65,292.08) -515.23,285.66 ccw(c-521.65,292.08) -515.23,298.5 -524.67,307.94 cw(c-518.25,314.36) -524.67,320.78 cw(c-518.25,314.36) -511.83,320.78 -503.52,312.47 ccw(c-497.1,318.89) -490.68,312.47 -468.5,334.65 -240.16,334.65 U5.A4@-204.73,299.21
DDR_DQ4: U5.D3 U7.C3 | length 462.1
  Bottom Layer w6.16: v1(-677.16,153.54) -661.41,169.29 -362.2,169.29 -342.52,188.98 -251.97,188.98 v1(-236.22,204.72)
DDR_DQ5: U5.D1 U7.A2 | length 462.5
  Bottom Layer w6.16: v1(-708.66,216.54) -692.91,200.79 -651.57,200.79 -648.49,200.79 ccw(c-648.49,209.87) -639.41,209.87 -639.41,221.97 cw(c-630.33,221.97) -621.25,221.97 -621.25,209.87 ccw(c-612.17,209.87) -612.17,200.79 -569.57,200.79 -471.46,200.79 -467.52,204.72 v1(-299.21,204.72)
DDR_DQ6: U5.C1 U7.A3 | length 523.2
  Top Layer w6.16: U7.A3@-677.16,216.53 -667.82,207.19 -665.64,205.01 ccw(c-659.22,211.43) -652.8,205.01 -634.71,223.09 cw(c-628.29,216.67) -621.87,223.09 cw(c-628.29,216.67) -621.87,210.25 -639.95,192.17 ccw(c-633.53,185.75) -639.95,179.32 -614.51,153.88 -612.34,151.71 -598.43,137.8 -452.76,137.8 -354.33,236.22 U5.C1@-299.21,236.22
DDR_DQ7: U5.E1 U7.C2 | length 461.8
  Bottom Layer w6.16: v1(-708.66,153.54) -692.91,137.8 -650.56,137.8 -647.48,137.8 -647.48,144.09 -629.32,144.09 -629.32,128.54 -611.16,128.54 -611.16,137.8 -592.52,137.8 -362.2,137.8 -326.77,173.23 v1(-299.21,173.23)
DDR_DQ8: U5.E2 U7.E3 | length 478.6
  Bottom Layer w6.16: v1(-677.16,90.55) -661.41,106.3 -648.36,106.3 -627.12,106.3 cw(c-627.12,97.22) -618.04,97.22 -618.04,90.11 ccw(c-608.96,90.11) -599.88,90.11 -599.88,97.22 cw(c-590.8,97.22) -590.8,106.3 -563.05,106.3 -370.08,106.3 -318.33,158.05 -282.9,158.05 v1(-267.72,173.23)
DDR_DQ9: U5.E3 U7.F2 | length 519.7
  Layer 3 w5.61: v1(-708.66,59.06) -692.91,74.8 -433.07,74.8 -350.39,157.48 -251.97,157.48 v1(-236.22,173.23)
DDR_DQ10: U5.G3 U7.G2 | length 544
  Top Layer w6.16: v1(-708.66,27.56) -694.22,13.11 -427.97,13.11 -409.58,31.5 -291.34,31.5 -283.46,39.37 -283.46,55.12 -275.59,62.99 -255.9,62.99 -251.97,66.93 -251.97,94.49 U5.G3@-236.22,110.23
DDR_DQ11: U5.H3 U7.H8 | length 479.5
  Bottom Layer w6.16: v1(-519.68,-3.94) -502.67,13.08 -468.5,13.08 -465.42,13.08 -465.42,25.66 -447.26,25.66 -447.26,-5.27 -429.1,-5.27 -429.1,25.66 -410.94,25.66 -410.94,-5.27 -392.78,-5.27 -392.78,13.08 -383.31,13.08 -368.81,13.08 -361.52,20.37 -359.35,22.54 -364.87,28.07 -352.03,40.91 -338.56,27.44 -325.72,40.28 -333.66,48.23 -324.8,57.09 -318.9,62.99 -251.97,62.99 v1(-236.22,78.74)
DDR_DQ12: U5.J3 U7.H3 | length 540.5
  Top Layer w6.16: U7.H3@-677.16,-3.94 -661.66,-19.44 -661.41,-19.69 -658.58,-19.69 ; -658.58,-19.68 ccw(c-658.58,-10.61) -649.5,-10.61 -649.5,-10.16 cw(c-640.42,-10.16) -631.34,-10.16 -631.34,-11.04 ccw(c-622.26,-11.04) -613.18,-11.04 -613.18,-10.16 cw(c-604.1,-10.16) -595.02,-10.16 -595.02,-10.61 ccw(c-585.94,-10.61) -585.94,-19.68 ; -585.94,-19.69 -566.28,-19.69 -413.39,-19.69 -384.84,8.86 -318.9,8.86 -310.04,0 -259.84,0 -251.97,7.87 -251.97,31.5 v1(-236.22,47.24)
DDR_DQ13: U5.H2 U7.F7 | length 475.3
  Bottom Layer w6.16: v1(-551.18,59.05) -516.42,59.05 -500.67,43.31 -460.79,43.31 -457.71,43.31 ccw(c-457.71,52.39) -448.63,52.39 -448.63,82.52 cw(c-439.55,82.52) -430.47,82.52 -430.47,48.07 ccw(c-421.39,48.07) -412.31,48.07 -412.31,82.52 cw(c-403.23,82.52) -394.15,82.52 -394.15,52.39 ccw(c-385.07,52.39) -385.07,43.31 -370.08,43.31 -362.28,51.1 -334.64,78.74 v1(-267.72,78.74)
DDR_DQ14: U5.H1 U7.F8 | length 543.7
  Top Layer w6.16: U7.F8@-519.68,59.05 -503.94,43.31 -429.13,43.31 -393.7,78.74 -387.77,78.74 -384.69,78.74 -384.69,121.23 -368.53,121.23 -368.53,45.73 -352.37,45.73 -352.37,121.23 -336.21,121.23 -336.21,45.73 -320.05,45.73 -320.05,78.74 -301.76,78.74 U5.H1@-299.21,78.74
DDR_DQ15: U5.J1 U7.H7 | length 286.2
  Bottom Layer w6.16: v1(-551.18,-3.94) -535.43,-19.69 -379.92,-19.69 -346.46,13.78 -332.68,13.78 v1(-299.21,47.24)
DDR_DQS0_n: U5.B2 U7.B7 | length 506.6
  Layer 3 w4.29: v1(-551.18,185.03) -540.58,174.43 -433.62,174.43 -433.35,174.71 -416.19,191.87 ccw(c-421.95,197.63) -416.21,203.41 ; -416.22,203.42 -448.32,235.52 cw(c-435.31,248.58) -448.34,261.62 cw(c-435.31,248.58) -423.98,263.12 -423.78,263.12 -365.28,204.62 ccw(c-359.54,210.41) -353.79,204.65 ccw(c-359.54,210.41) -353.8,216.18 -359.8,222.18 cw(c-346.77,235.22) -359.8,248.25 -354.65,253.41 -350.94,257.11 -278.32,257.11 v1(-267.72,267.71)
DDR_DQS0_p: U5.C2 U7.C7 | length 506.7
  Layer 3 w4.29: v1(-551.18,153.54) -540.58,164.14 -429.36,164.14 -426.07,167.43 -408.91,184.59 ccw(c-421.95,197.63) -407.4,208.96 -407.4,209.16 -441.1,242.85 cw(c-435.31,248.58) -441.07,254.34 cw(c-435.31,248.58) -429.53,254.32 ; -429.52,254.31 -372.61,197.4 ccw(c-359.54,210.41) -346.51,197.37 ccw(c-359.54,210.41) -345,221.74 -345,221.93 -352.53,229.46 cw(c-346.77,235.22) -352.53,240.98 -347.37,246.13 -346.68,246.82 -278.32,246.82 v1(-267.72,236.22)
DDR_DQS1_n: U5.F2 U7.G3 | length 525.7
  Layer 3 w4.29: v1(-677.17,27.56) -653.39,27.56 -649.54,31.41 -647.4,31.41 ccw(c-647.4,39.06) -639.75,39.06 -639.75,45.61 cw(c-632.11,45.61) -624.46,45.61 -624.46,35.12 ccw(c-616.82,35.12) -609.17,35.12 -609.17,45.61 cw(c-601.53,45.61) -593.88,45.61 -593.88,39.06 ccw(c-586.24,39.06) -586.24,31.41 -570.26,31.41 -429.22,31.41 -329.5,131.13 -278.33,131.13 v1(-267.72,141.73)
DDR_DQS1_p: U5.G2 U7.F3 | length 523.9
  Layer 3 w4.29: v1(-677.17,59.06) -692.91,43.31 -692.91,19.68 -685.04,11.81 -658.13,11.81 -650.25,19.68 -426.39,19.68 -325.24,120.84 -278.33,120.84 v1(-267.72,110.23)
DDR_RAS: U5.P4 U7.J3 | length 951.5
  Top Layer w6.16: v1(-708.66,-318.9) -685.04,-342.52 -446.85,-342.52 -323.51,-219.18 -228.23,-219.18 -220.48,-211.42 -220.48,-125.98 v1(-204.72,-110.24)
  Layer 3 w5.61: -724.41,-303.15 v1(-708.66,-318.9) ; v1(-677.17,-35.43) -641.73,-35.43 -625.98,-51.18 -625.98,-74.8 -661.42,-110.24 -661.42,-248.03
DDR_RST: R24.2 U5.B4 U7.T2 | length 1765.8
  Top Layer w6.16: v1(-240.16,-385.83) -232.68,-378.35 R24.2@-181.1,-378.35
  Layer 3 w5.61: v1(-771.65,-287.4) -771.65,122.05 -572.05,321.65 -227.17,321.65 -204.72,299.21 v1(-204.72,267.72)
  Bottom Layer w6.16: v1(-771.65,-287.4) -708.66,-287.4 ; v1(-708.66,-255.9) -708.66,-287.4 ; v1(-240.16,-385.83) -279.53,-346.46 -649.61,-346.46 -708.66,-287.4
DDR_WE: U5.M5 U7.L3 | length 898
  Top Layer w6.16: v1(-677.17,-287.4) -692.91,-271.65 -692.91,-114.18 v1(-677.17,-98.43)
  Layer 3 w5.61: v1(-677.17,-287.4) -428.15,-287.4 -328.74,-187.99 -178.15,-187.99 -157.48,-167.32 -157.48,-62.99 v1(-173.23,-47.24)
DIFFN: TP11.1 U12.E9 | length 190
  Bottom Layer w6.16: v1(125,909.25) 148.43,885.83 192.91,885.83 200.79,877.95 200.79,826.77 TP11.1@236.22,791.34
DIFFO: TP10.1 U12.F8 | length 215
  Bottom Layer w6.16: v1(74.8,959.65) 102.36,932.09 102.36,897.64 114.17,885.83 129.92,885.83 160.55,855.2 160.55,796.15 TP10.1@165.35,791.34
DIFFP: TP9.1 U12.E8 | length 126
  Bottom Layer w6.16: v1(75,909.25) 94.49,889.77 TP9.1@94.49,791.34
DONE: D1.K U5.R11 | length 243.1
  Top Layer w6.16: D1.K@0,-378.35 0,-157.48 U5.R11@15.75,-141.74
E\N\: U19.3 U20.1 | length 1574.1
  Top Layer w6.16: U20.1@68.9,-1292.52 68.9,-1263.78 74.8,-1257.87 v1(74.8,-1228.35)
  Layer 3 w5.61: v1(-1224.41,-818.9) -1154.78,-888.53 -713.83,-888.53 -559.06,-1043.31 -295.28,-1043.31 -145.67,-1192.91 11.81,-1192.91 47.24,-1228.35 v1(74.8,-1228.35)
  Bottom Layer w6.16: v1(-1224.41,-818.9) -1221.46,-815.94 U19.3@-1187.01,-815.94
EEPROM_CLK: R31.1 U9.62 U10.4 | length 977.6
  Top Layer w12: R31.1@-1212.6,-146.06 -1206.5,-146.06 -1189.66,-129.23 -1189.66,-103.05 -1161.32,-74.71 -1125.89,-74.71 v1(-1120.08,-68.9)
  Layer 3 w5.61: v1(-1279.53,555.71) -1201.38,555.71 -1181.1,535.43 -1181.1,-7.87 v1(-1120.08,-68.9)
  Bottom Layer w6.16: v1(-1279.53,555.71) U9.62@-1178.16,555.71
EEPROM_CS: R29.1 U9.63 U10.5 | length 951.4
  Top Layer w12: U10.5@-1120.08,-31.5 -1082.35,-31.5 -1078.74,-35.1 -1078.74,-108.86 R29.1@-1115.94,-146.06
  Layer 3 w5.61: v1(-1259.84,575.39) -1197.44,575.39 -1169.29,547.24 -1169.29,15.75 v1(-1122.05,-31.5)
  Bottom Layer w6.16: v1(-1259.84,575.39) U9.63@-1178.16,575.39
EEPROM_DATA: R32.1 R33.1 U9.61 U10.3 | length 1124.4
  Top Layer w6.16: U10.3@-1228.35,-72.83 v1(-1226.38,-70.87) ; R33.1@-1212.6,153.15 -1208.27,153.15 R33.1@-1192.91,137.8 ; -1169.29,82.68 -1168.9,83.07
  Top Layer w12: U10.3@-1226.38,-68.9 -1183.07,-68.9 -1169.29,-55.12 -1169.29,82.68 -1169.29,129.29 -1176.32,136.31 -1191.43,136.31 R33.1@-1192.91,137.8 ; -1168.9,83.07 R32.1@-1122.05,83.07
  Layer 3 w5.61: v1(-1259.84,536.02) -1205.31,536.02 -1196.85,527.56 -1196.85,-66.93 -1200.79,-70.87 v1(-1226.38,-70.87)
  Bottom Layer w6.16: v1(-1259.84,536.02) U9.61@-1178.16,536.02
EXT_CLK_n: C151.1 U16.14 | length 964.2
  Bottom Layer w4.29: v1(834.65,-1492.13) 834.65,-1529.74 837.16,-1532.26 1196.09,-1532.26 1208.66,-1519.69 1208.66,-1079.94 1177.17,-1048.45 1133.24,-1048.45 1132.3,-1049.39 1120.89,-1049.39 U16.14@1117.13,-1053.15
EXT_CLK_p: C149.1 U16.13 | length 998.3
  Bottom Layer w4.29: v1(834.65,-1582.68) 834.65,-1545.06 837.16,-1542.55 1200.35,-1542.55 1218.95,-1523.95 1218.95,-1075.68 1181.43,-1038.16 1133.24,-1038.16 1132.3,-1037.22 1120.89,-1037.22 U16.13@1117.13,-1033.46
EXTVCC: R58.2 U12.J7 | length 402.5
  Top Layer w6.16: v1(25,1109.25) 51.18,1135.43 51.18,1173.23 62.99,1185.04 299.21,1185.04 326.77,1212.6 R58.2@362.6,1212.6
FB_1V0: R63.2 U12.D7 | length 391.6
  Layer 3 w5.61: v1(25,859.25) 50.59,884.84 342.9,884.84 363.43,905.37 v1(363.43,939.43)
FB_1V8: R72.2 U12.D5 | length 568.4
  Top Layer w6.16: R72.2@-531.89,937.01 -531.89,943.11 -496.47,978.53 -423.41,978.53 -417.32,972.44 -417.32,901.92 -413.71,898.31 -326.46,898.31 -312.01,883.86 -99.61,883.86 v1(-75,859.25)
FSET: R75.2 U12.C6 | length 621.1
  Layer 3 w5.61: v1(-25,809.25) 1.38,835.63 556.5,835.63 v1(576.77,855.91)
FT_1V8: C90.2 C91.2 C92.2 R30.1 R34.1 U9.12 U9.37 U9.64 | length 1378.5
  Top Layer w6.16: C92.2@-940.94,382.28 C92.2@-929.14,370.48 ; C91.2@-940.94,601.97 C91.2@-934.84,601.97
  Top Layer w12: C91.2@-934.84,601.97 -899.8,566.93 -811.02,566.93 -803.15,559.06 R30.1@-780.51,559.06 ; v1(-929.14,346.45) C92.2@-929.14,370.48
  Layer 3 w12: v1(-1228.35,610.24) -1212.6,625.98 -972.44,625.98 v1(-940.94,594.49)
  Layer 3 w12.01: v1(-1149.61,192.91) -1082.68,192.91 v1(-929.14,346.45) -905.51,370.08 -905.51,559.06 v1(-940.94,594.49)
  Bottom Layer w6.16: R34.1@-1271.65,191.93 R34.1@-1270.67,192.91
  Bottom Layer w11.81: v1(-1228.35,610.24) -1213.19,595.08 U9.64@-1178.16,595.08
  Bottom Layer w12: v1(-940.94,594.49) -929.14,606.29 U9.12@-929.14,627.56 ; U9.37@-929.14,267.32 v1(-929.14,346.45)
  Bottom Layer w12.01: R34.1@-1270.67,192.91 v1(-1149.61,192.91)